# Allegro board 1155001-Timing_board_V3_20241024_1805_pcb.brd (continued)
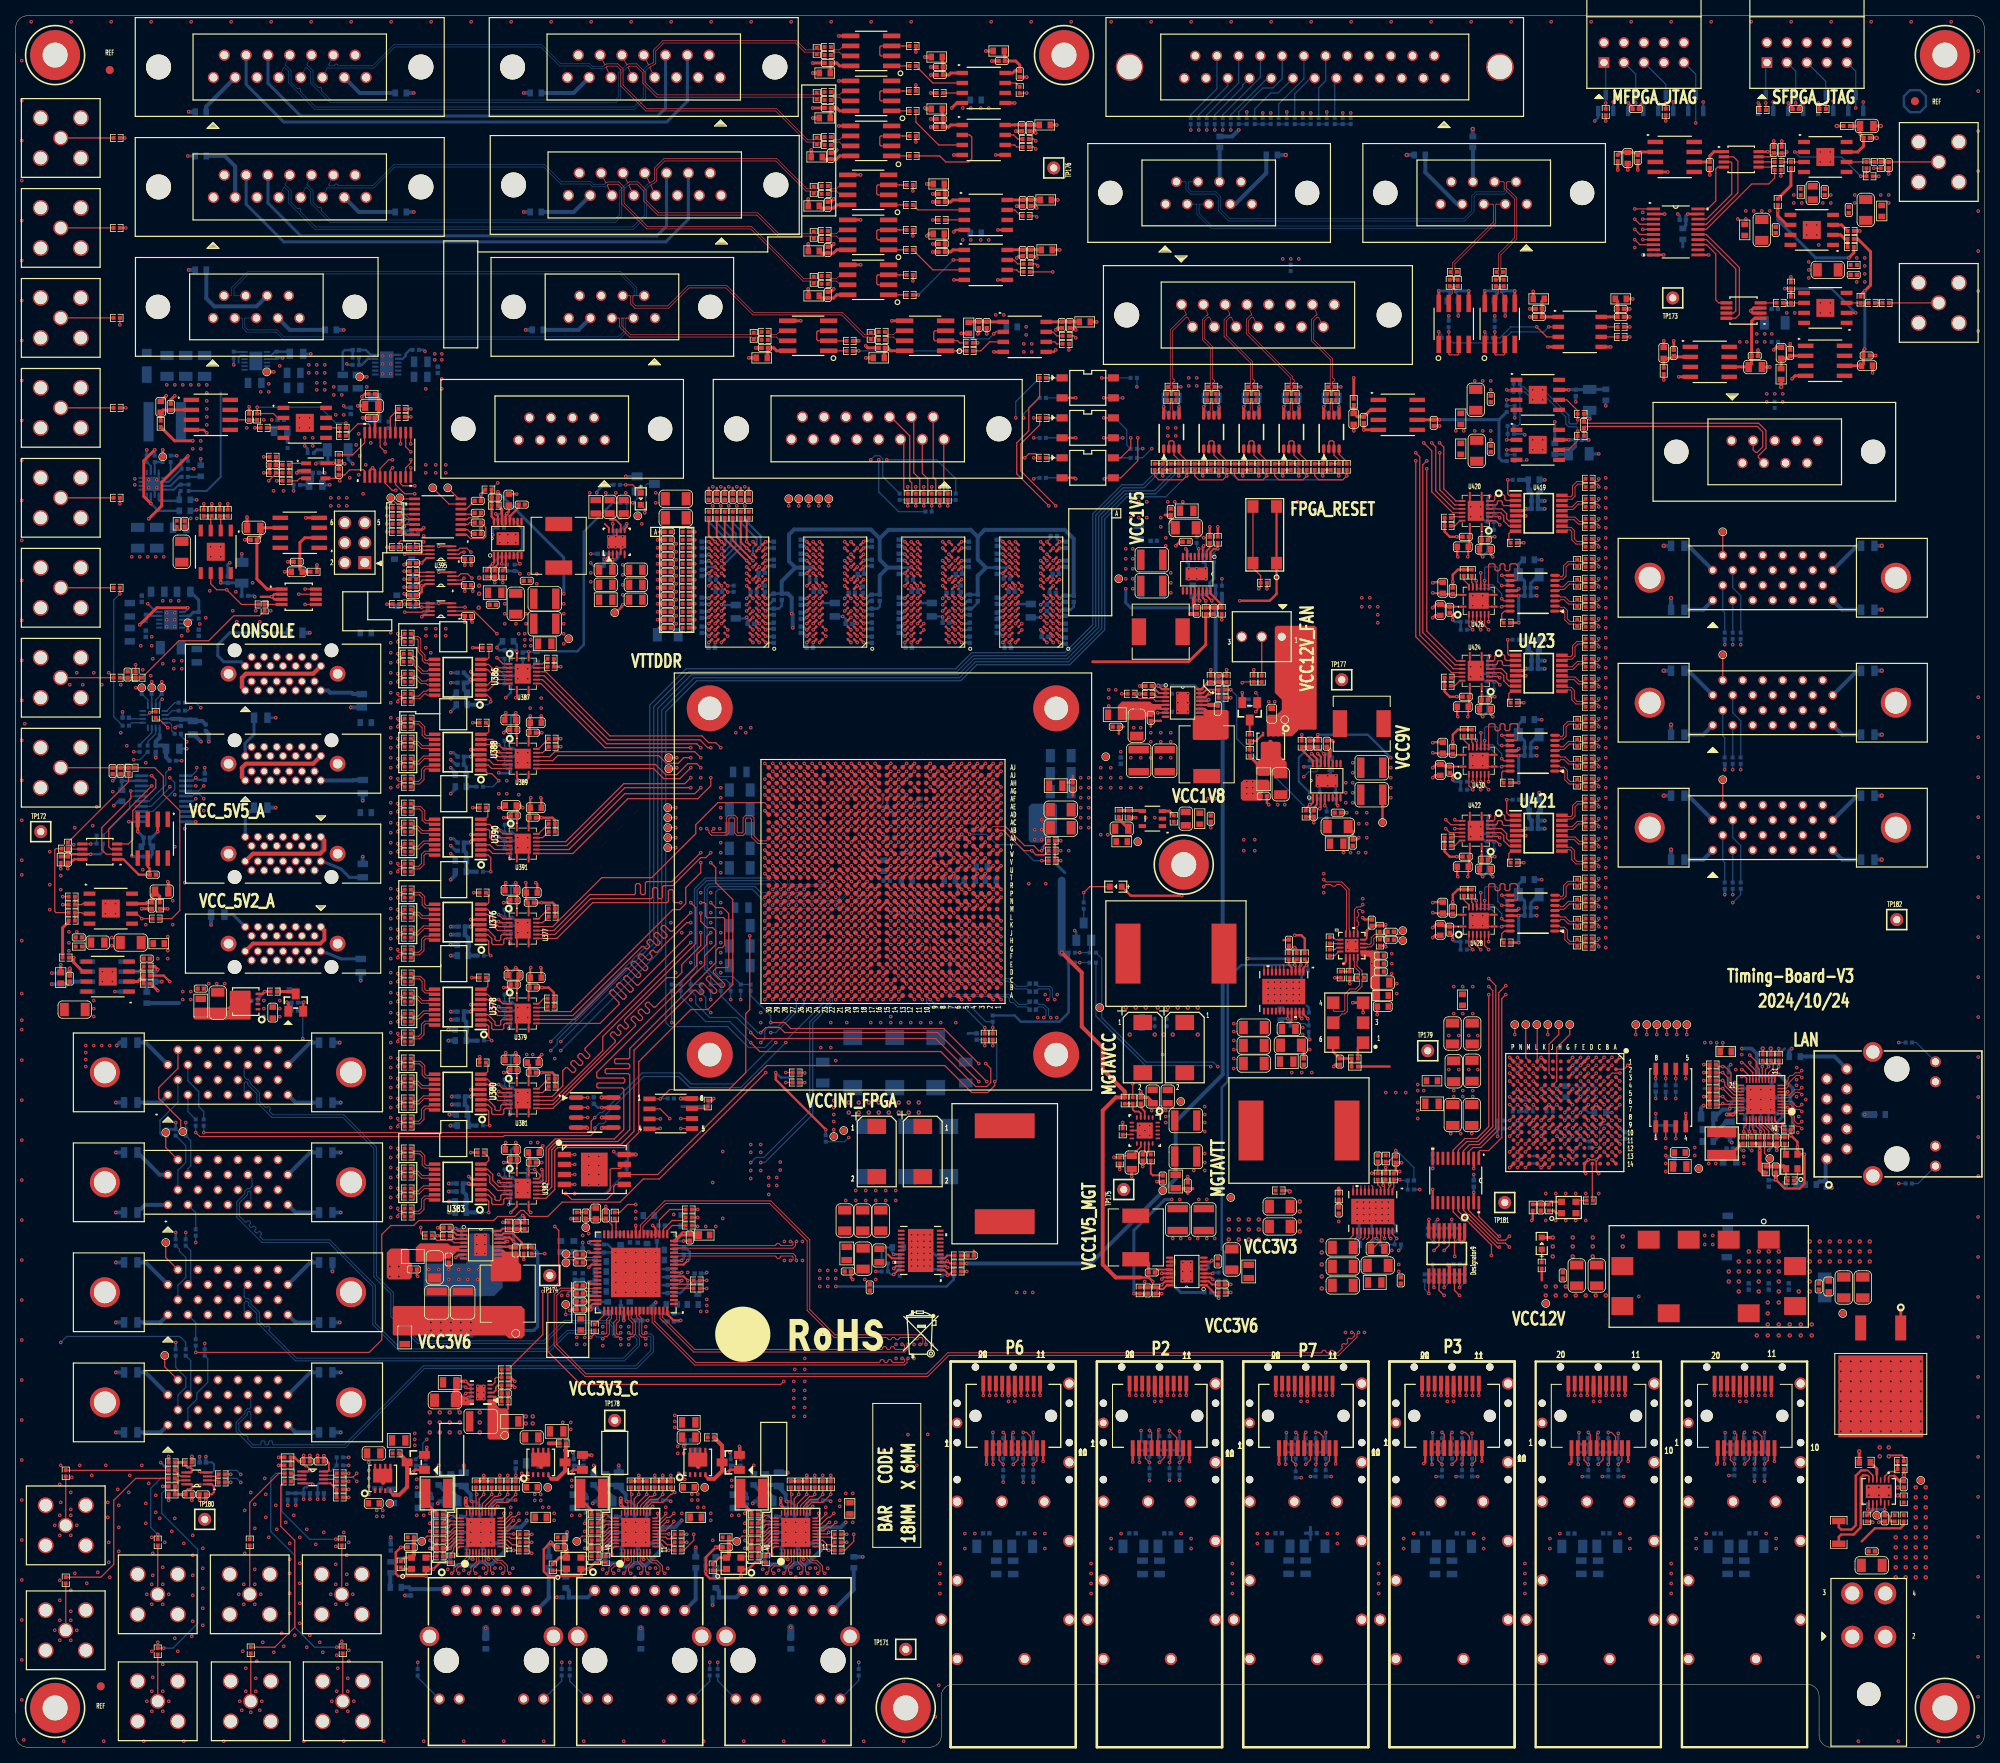
[diagram p0: board, top side]
## Routing (per net, layer and track width the routed paths; a pad name or vN(x,y) marks a point on that pad's centre or on a via; arc(x,y) is an arc through that point) (continued)
N25617445: length 2
  TOP w0.157: C2253.1 57.91,154.18 57.38,154.71 U3.2
N25617449: length 2.2
  TOP w0.157: U3.6 57.22,157.31 C2254.1
N25617566: length 30.5
  TOP w0.157: R1925.2 v1(47.12,154.43)
  ART08 w0.117: J84.3 68.22,164.97 62.23,164.97 54.23,156.97 48.64,156.97 47.62,155.96 46.99,155.96 46.61,155.57 46.61,154.94 v1(47.12,154.43)
  BOTTOM w0.157: R2169.2 47.12,154.71 v1(47.12,154.43)
N25620997: length 4.7
  TOP w0.122: U378.15 52.67,92.42 52.51,92.26 51.91,92.26 51.52,91.87 51.52,90.7 51.15,90.34 50.53,90.34 R2893.1
N25621017: length 4.7
  TOP w0.122: R2894.1 50.53,90 51.29,90 51.85,90.57 51.85,91.73 52.05,91.93 52.47,91.93 52.63,91.77 U378.16
N25621053: length 3.5
  TOP w0.122: U378.14 52.6,93.07 52.44,93.23 51.91,93.23 51.23,92.54 50.53,92.54 R2895.1
N25621069: length 3.5
  TOP w0.122: R2896.1 50.53,92.88 51.09,92.88 51.77,93.56 52.54,93.56 52.7,93.72 U378.13
N25621077: length 3.5
  TOP w0.122: U378.11 52.6,95.02 52.44,94.86 51.66,94.86 51.1,95.42 50.53,95.42 R2899.1
N25621097: length 3.5
  TOP w0.122: U378.12 52.62,94.37 52.46,94.53 51.52,94.53 50.97,95.08 50.53,95.08 R2900.1
N25621136: length 4.6
  TOP w0.122: R2909.1 50.53,97.62 51.27,97.62 51.61,97.28 51.61,96.22 52,95.83 52.51,95.83 52.67,95.67 U378.10
N25621152: length 4.6
  TOP w0.122: R2910.1 50.53,97.96 51.41,97.96 51.94,97.42 51.94,96.35 52.14,96.16 52.47,96.16 52.63,96.32 U378.9
N25621214: length 4
  TOP w0.157: v1(60.45,89.79) 60.07,90.17 60.07,91.61 59.91,91.77 U378.1
  BOTTOM w0.157: R2889.2 v1(60.45,89.79)
N25621232: length 2.2
  TOP w0.157: U378.8 59.61,96.32 59.94,96.65 59.94,97.56 R2891.2
N25621328: length 3.5
  TOP w0.157: U379.2 61.87,94.47 v1(61.34,95)
  BOTTOM w0.157: R2897.1 R2904.1 61.72,94.61 v1(61.34,95)
N25621330: length 3.3
  TOP w0.157: U379.3 61.48,93.97 v1(61.34,94.11)
  BOTTOM w0.157: R2898.1 R2902.1 61.85,93.6 v1(61.34,94.11)
N25621449: length 1.7
  TOP w0.157: U379.15 66.38,94.47 67.04,95.12 R2903.1
N25621475: length 1.5
  TOP w0.157: R2901.1 67.41,93.97 U379.14
N25626459: length 4.6
  TOP w0.122: U419.10 196.89,155.16 197.05,155 197.55,155 197.94,154.61 197.94,153.54 198.29,153.2 199.03,153.2 R3197.1
N25626475: length 4.6
  TOP w0.122: R3198.1 199.03,152.87 198.15,152.87 197.61,153.41 197.61,154.47 197.42,154.67 197.09,154.67 196.93,154.51 U419.9
N25626609: length 3.5
  TOP w0.157: v1(189.48,161.04) 189.48,159.23 189.66,159.06 U419.1
  BOTTOM w0.157: R3201.2 v1(189.48,161.04)
N25626611: length 4.7
  TOP w0.122: R3202.1 199.03,160.49 198.4,160.49 198.03,160.12 198.03,158.96 197.64,158.57 197.05,158.57 196.89,158.41 U419.15
N25626695: length 2.2
  TOP w0.157: R3203.2 189.61,153.27 189.61,154.18 189.94,154.51 U419.8
N25626697: length 4.7
  TOP w0.122: U419.16 196.92,159.06 197.08,158.9 197.51,158.9 197.7,159.1 197.7,160.26 198.26,160.82 199.03,160.82 R3204.1
N25626701: length 3.5
  TOP w0.157: v1(188.47,155.32) 187.94,155.85 U420.2
  BOTTOM w0.157: v1(188.47,155.32) 188.09,155.7 R3210.1 R3199.1
N25626703: length 3.3
  TOP w0.157: v1(188.47,156.21) 188.33,156.35 U420.3
  BOTTOM w0.157: R3200.1 R3212.1 187.96,156.72 v1(188.47,156.21)
N25626731: length 3.5
  TOP w0.122: U419.14 196.95,157.76 197.11,157.6 197.64,157.6 198.33,158.28 199.03,158.28 R3205.1
N25626758: length 3.5
  TOP w0.122: R3206.1 199.03,157.95 198.46,157.95 197.78,157.27 197.02,157.27 196.86,157.11 U419.13
N25626822: length 3.5
  TOP w0.122: U419.11 196.96,155.81 197.12,155.97 197.9,155.97 198.45,155.41 199.03,155.41 R3207.1
N25626838: length 3.5
  TOP w0.122: R3208.1 199.03,155.74 198.59,155.74 198.03,156.3 197.09,156.3 196.93,156.46 U419.12
N25626901: length 1.7
  TOP w0.157: U420.15 183.43,155.85 182.77,155.19 R3209.1
N25626927: length 1.5
  TOP w0.157: R3211.1 182.4,156.35 U420.14
N25627819: length 4.6
  TOP w0.122: U421.10 196.89,114.52 197.05,114.36 197.55,114.36 197.94,113.97 197.94,112.9 198.29,112.56 199.03,112.56 R3213.1
N25627835: length 4.6
  TOP w0.122: R3214.1 199.03,112.23 198.15,112.23 197.61,112.77 197.61,113.83 197.42,114.03 197.09,114.03 196.93,113.87 U421.9
N25627981: length 3.7
  TOP w0.157: v1(189.36,120.4) 189.36,118.72 189.66,118.42 U421.1
  BOTTOM w0.157: R3217.2 v1(189.36,120.4)
N25627983: length 4.7
  TOP w0.122: R3218.1 199.03,119.85 198.4,119.85 198.03,119.48 198.03,118.32 197.64,117.93 197.05,117.93 196.89,117.77 U421.15
N25628067: length 2.2
  TOP w0.157: R3219.2 189.61,112.63 189.61,113.54 189.94,113.87 U421.8
N25628069: length 4.7
  TOP w0.122: U421.16 196.92,118.42 197.08,118.26 197.51,118.26 197.7,118.46 197.7,119.62 198.26,120.18 199.03,120.18 R3220.1
N25628073: length 3.5
  TOP w0.157: v1(188.47,114.68) 187.94,115.21 U422.2
  BOTTOM w0.157: v1(188.47,114.68) 188.09,115.06 R3226.1 R3215.1
N25628075: length 3.3
  TOP w0.157: U422.3 188.33,115.71 v1(188.47,115.57)
  BOTTOM w0.157: R3216.1 R3228.1 187.96,116.08 v1(188.47,115.57)
N25628103: length 3.5
  TOP w0.122: R3221.1 199.03,117.64 198.33,117.64 197.64,116.96 197.11,116.96 196.95,117.12 U421.14
N25628126: length 3.5
  TOP w0.122: U421.13 196.86,116.47 197.02,116.63 197.78,116.63 198.46,117.31 199.03,117.31 R3222.1
N25628171: length 3.5
  TOP w0.122: R3223.1 199.03,114.77 198.45,114.77 197.9,115.33 197.12,115.33 196.96,115.17 U421.11
N25628210: length 3.5
  TOP w0.122: R3224.1 199.03,115.1 198.59,115.1 198.03,115.66 197.09,115.66 196.93,115.82 U421.12
N25628273: length 1.7
  TOP w0.157: R3225.1 182.77,114.55 183.43,115.21 U422.15
N25628287: length 1.5
  TOP w0.157: U422.14 182.4,115.71 R3227.1
N25630415: length 4.6
  TOP w0.122: R3229.1 199.03,132.88 198.29,132.88 197.94,133.22 197.94,134.29 197.55,134.68 197.05,134.68 196.89,134.84 U423.10
N25630423: length 4.6
  TOP w0.122: U423.9 196.93,134.19 197.09,134.35 197.42,134.35 197.61,134.15 197.61,133.09 198.15,132.55 199.03,132.55 R3230.1
N25630569: length 3.5
  TOP w0.157: U423.1 189.66,138.74 189.48,138.91 v1(189.48,140.72)
  BOTTOM w0.157: R3233.2 v1(189.48,140.72)
N25630571: length 4.7
  TOP w0.122: U423.15 196.89,138.09 197.05,138.25 197.64,138.25 198.03,138.64 198.03,139.8 198.4,140.17 199.03,140.17 R3234.1
N25630667: length 2.2
  TOP w0.157: R3235.2 189.61,132.95 189.61,133.86 189.94,134.19 U423.8
N25630669: length 4.7
  TOP w0.122: U423.16 196.92,138.74 197.08,138.58 197.51,138.58 197.7,138.78 197.7,139.94 198.26,140.5 199.03,140.5 R3236.1
N25630673: length 3.5
  TOP w0.157: v1(188.47,135) 187.94,135.53 U424.2
  BOTTOM w0.157: v1(188.47,135) 188.09,135.38 R3242.1 R3231.1
N25630675: length 3.3
  TOP w0.157: v1(188.47,135.89) 188.33,136.03 U424.3
  BOTTOM w0.157: v1(188.47,135.89) 187.96,136.4 R3244.1 R3232.1
N25630703: length 3.5
  TOP w0.122: U423.14 196.95,137.44 197.11,137.28 197.64,137.28 198.33,137.96 199.03,137.96 R3237.1
N25630714: length 3.5
  TOP w0.122: R3238.1 199.03,137.63 198.46,137.63 197.78,136.95 197.02,136.95 196.86,136.79 U423.13
N25630759: length 3.5
  TOP w0.122: U423.11 196.96,135.49 197.12,135.65 197.9,135.65 198.45,135.09 199.03,135.09 R3239.1
N25630810: length 3.5
  TOP w0.122: R3240.1 199.03,135.42 198.59,135.42 198.03,135.98 197.09,135.98 196.93,136.14 U423.12
N25630873: length 1.7
  TOP w0.157: U424.15 183.43,135.53 182.77,134.87 R3241.1
N25630887: length 1.5
  TOP w0.157: R3243.1 182.4,136.03 U424.14
N25691932: length 2.4
  TOP w0.157: U425.16 189.05,144.35 188.72,144.02 188.72,143.11 R3245.2
N25692049: length 2.5
  TOP w0.157: U425.9 v1(188.72,148.9)
  BOTTOM w0.157: v1(188.72,148.9) 189.48,148.14 R3246.1
N25692204: length 5.7
  TOP w0.122: U425.1 196.04,144.35 196.2,144.51 196.53,144.51 196.72,144.31 196.72,143.25 197.26,142.71 198.06,142.71 R3247.1 198.53,142.71 199.03,142.71 R3303.2
N25692228: length 5.7
  TOP w0.122: U425.2 196,145 196.16,144.84 196.67,144.84 197.05,144.45 197.05,143.38 197.4,143.04 198.06,143.04 R3247.2 198.53,143.04 199.03,143.04 R3304.2
N25692336: length 4.5
  TOP w0.122: U425.3 196.07,145.65 196.23,145.81 196.63,145.81 197.18,145.25 198.06,145.25 R3248.1 198.53,145.25 199.03,145.25 R3305.2
N25692356: length 4.5
  TOP w0.122: R3306.2 199.03,145.58 198.53,145.58 R3248.2 198.06,145.58 197.32,145.58 196.76,146.14 196.2,146.14 196.04,146.3 U425.4
N25692417: length 4.6
  TOP w0.122: R3307.2 199.03,147.79 198.53,147.79 R3249.1 198.06,147.79 197.32,147.79 196.64,147.11 196.13,147.11 195.97,146.95 U425.5
N25692437: length 4.6
  TOP w0.122: R3308.2 199.03,148.12 198.53,148.12 R3249.2 198.06,148.12 197.18,148.12 196.5,147.44 196.22,147.44 196.06,147.6 U425.6
N25692498: length 5.8
  TOP w0.122: U425.7 196,148.25 196.16,148.41 196.5,148.41 196.89,148.8 196.89,149.96 197.26,150.33 198.06,150.33 R3250.1 198.53,150.33 199.03,150.33 R3309.2
N25692518: length 5.8
  TOP w0.122: U425.8 196.03,148.9 196.19,148.74 196.36,148.74 196.56,148.94 196.56,150.1 197.12,150.66 198.06,150.66 R3250.2 198.53,150.66 199.03,150.66 R3310.2
N25693288: length 1.7
  TOP w0.157: R3251.1 183.9,148.32 184.55,147.66 U426.15
N25693314: length 1.5
  TOP w0.157: R3252.1 184.91,147.98 185.05,147.84 U426.14
N25693969: length 2.9
  TOP w0.157: v1(185.04,141.99) 184.55,142.48 U426.2
  BOTTOM w0.157: v1(185.04,141.99) R3253.2
N25693972: length 1.7
  TOP w0.157: U426.3 v1(185.05,143)
  BOTTOM w0.157: v1(185.05,143) R3254.2
N25695450: length 2.9
  TOP w0.157: v1(185.04,101.35) 184.55,101.84 U428.2
  BOTTOM w0.157: v1(185.04,101.35) R3255.2
N25695452: length 1.7
  TOP w0.157: U428.3 v1(185.05,102.36)
  BOTTOM w0.157: v1(185.05,102.36) R3256.2
N25695592: length 2.4
  TOP w0.157: R3257.2 188.72,102.47 188.72,103.38 189.05,103.71 U427.16
N25695600: length 2.4
  TOP w0.157: U427.9 v1(188.72,108.26)
  BOTTOM w0.157: R3258.1 189.43,107.55 v1(188.72,108.26)
N25695607: length 5.7
  TOP w0.122: R3311.2 199.03,102.07 198.53,102.07 R3259.1 198.06,102.07 197.26,102.07 196.72,102.61 196.72,103.67 196.53,103.87 196.2,103.87 196.04,103.71 U427.1
N25695627: length 5.7
  TOP w0.122: U427.2 196,104.36 196.16,104.2 196.67,104.2 197.05,103.81 197.05,102.74 197.4,102.4 198.06,102.4 R3259.2 198.53,102.4 199.03,102.4 R3312.2
N25695639: length 4.5
  TOP w0.122: U427.3 196.07,105.01 196.23,105.17 196.63,105.17 197.18,104.61 198.06,104.61 R3260.1 198.53,104.61 199.03,104.61 R3313.2
N25695659: length 4.5
  TOP w0.122: U427.4 196.05,105.66 196.2,105.5 196.76,105.5 197.32,104.94 198.06,104.94 R3260.2 198.53,104.94 199.03,104.94 R3314.2
N25695671: length 4.6
  TOP w0.122: U427.5 195.97,106.31 196.13,106.47 196.64,106.47 197.32,107.15 198.06,107.15 R3261.1 198.53,107.15 199.03,107.15 R3316.2
N25695691: length 4.6
  TOP w0.122: U427.6 196.07,106.96 196.23,106.8 196.5,106.8 197.18,107.48 198.06,107.48 R3261.2 198.53,107.48 199.03,107.48 R3315.2
N25695703: length 5.8
  TOP w0.122: R3317.2 199.03,109.69 198.53,109.69 R3262.1 198.06,109.69 197.26,109.69 196.89,109.32 196.89,108.16 196.5,107.77 196.16,107.77 196,107.61 U427.7
N25695723: length 5.8
  TOP w0.122: U427.8 196.04,108.26 196.19,108.1 196.37,108.1 196.56,108.3 196.56,109.46 197.12,110.02 198.06,110.02 R3262.2 198.53,110.02 199.03,110.02 R3318.2
N25695839: length 1.7
  TOP w0.157: U428.15 184.55,107.02 183.9,107.68 R3263.1
N25695865: length 1.5
  TOP w0.157: R3264.1 184.91,107.34 185.05,107.2 U428.14
N25698937: length 2.9
  TOP w0.157: U430.2 184.55,122.16 v1(185.04,121.67)
  BOTTOM w0.157: v1(185.04,121.67) R3265.2
N25698939: length 1.7
  TOP w0.157: U430.3 v1(185.05,122.68)
  BOTTOM w0.157: v1(185.05,122.68) R3266.2
N25699065: length 2.5
  TOP w0.157: R3267.2 188.72,122.79 188.72,123.87 188.88,124.03 U429.16
N25699095: length 2.7
  TOP w0.157: U429.9 v1(188.72,128.58)
  BOTTOM w0.157: v1(188.72,128.58) 189.48,127.82 R3268.1
N25699102: length 5.7
  TOP w0.122: R3319.2 199.03,122.39 198.53,122.39 R3269.1 198.06,122.39 197.26,122.39 196.72,122.93 196.72,123.99 196.53,124.19 196.2,124.19 196.04,124.03 U429.1
N25699110: length 5.7
  TOP w0.122: U429.2 196,124.68 196.16,124.52 196.67,124.52 197.05,124.13 197.05,123.06 197.4,122.72 198.06,122.72 R3269.2 198.53,122.72 199.03,122.72 R3320.2
N25699134: length 4.5
  TOP w0.122: U429.3 196.07,125.33 196.23,125.49 196.63,125.49 197.18,124.93 198.06,124.93 R3270.1 198.53,124.93 199.03,124.93 R3321.2
N25699142: length 4.5
  TOP w0.122: U429.4 196.05,125.98 196.2,125.82 196.76,125.82 197.32,125.26 198.06,125.26 R3270.2 198.53,125.26 199.03,125.26 R3322.2
N25699166: length 4.6
  TOP w0.122: U429.5 195.97,126.63 196.13,126.79 196.64,126.79 197.32,127.47 198.06,127.47 R3271.1 198.53,127.47 199.03,127.47 R3324.2
N25699174: length 4.6
  TOP w0.122: R3323.2 199.03,127.8 198.53,127.8 R3271.2 198.06,127.8 197.18,127.8 196.5,127.12 196.23,127.12 196.07,127.28 U429.6
N25699198: length 5.8
  TOP w0.122: U429.7 196,127.93 196.16,128.09 196.5,128.09 196.89,128.48 196.89,129.64 197.26,130.01 198.06,130.01 R3272.1 198.53,130.01 199.03,130.01 R3325.2
N25699206: length 5.8
  TOP w0.122: R3326.2 199.03,130.34 198.53,130.34 R3272.2 198.06,130.34 197.12,130.34 196.56,129.78 196.56,128.62 196.37,128.42 196.19,128.42 196.04,128.58 U429.8
N25699331: length 1.7
  TOP w0.157: R3273.1 183.9,128 184.55,127.34 U430.15
N25699348: length 1.5
  TOP w0.157: U430.14 185.05,127.57 184.91,127.71 R3274.1
N25718866: length 5
  BOTTOM w0.254: C2795.1 21.57,35.74 21.75,35.56 22.23,35.56 22.43,35.36 22.43,35.17 22.17,34.91 U350.8
  BOTTOM w0.305: L393.2 L392.2 C2795.1
N25719277: length 1.5
  BOTTOM w0.157: R2612.1 25.5,34.41 U350.2
N25719281: length 1.5
  BOTTOM w0.157: U350.3 25.5,33.91 R2614.1
N25720595: length 1.5
  BOTTOM w0.157: R2611.2 20.46,34.41 U350.7
N25720616: length 1.7
  BOTTOM w0.157: U350.6 20.98,33.91 R2613.2
N25721210: length 3.8
  BOTTOM w0.254: U350.5 22.22,33.41 22.36,33.27 22.36,33.02 22.11,32.77 21.82,32.77 21.57,32.51 R2610.2
  BOTTOM w0.305: R2610.2 R2609.2
N25722622: length 5
  TOP w0.254: U352.8 22.34,33.41 22.43,33.33 22.43,32.97 22.23,32.77 21.82,32.77 21.57,32.51 C2799.1
  TOP w0.356: L397.2 L396.2 C2799.1
N25722632: length 1.5
  TOP w0.157: U352.7 20.46,33.91 R2623.2
N25722634: length 1.7
  TOP w0.157: U352.6 20.98,34.41 R2625.2
N25722688: length 3.8
  TOP w0.254: U352.5 22.27,34.91 22.35,35 22.35,35.36 22.15,35.56 21.82,35.56 21.57,35.81 R2622.2
  TOP w0.356: R2621.2 R2622.2
N25722784: length 1.5
  TOP w0.157: R2624.1 25.5,33.91 U352.2
N25722803: length 1.5
  TOP w0.157: U352.3 25.5,34.41 R2626.1
N25723724: length 1.8
  TOP w0.157: U353.7 40.49,34.54 R2630.1
N25723727: length 1.8
  TOP w0.157: U353.6 40.49,34.04 R2632.1
N25724465: length 3
  TOP w0.229: R2628.1 39.97,33.54 U353.5
  TOP w0.381: R2627.1 R2628.1
N25725212: length 20.1
  TOP w0.229: C2802.1 36.56,35.92 36.79,35.69 36.98,35.69 37.23,35.43 37.23,35.22 37.05,35.04 U353.1
  TOP w0.305: C2802.1 35.92,36.32 35.41,36.83 L398.2 L399.2 ; R2627.2 v1(42.29,31.75)
  TOP w0.356: C2802.1 v1(36.56,37.08)
  ART03 w0.381: v1(36.56,37.08) 35.81,36.34 35.81,31.37 36.58,30.61 41.15,30.61 v1(42.29,31.75)
N25726079: length 1.5
  BOTTOM w0.157: U351.2 35.2,34.04 R2617.2
N25726096: length 1.5
  BOTTOM w0.157: U351.3 35.2,34.54 R2619.2
N25726148: length 1.8
  BOTTOM w0.157: U351.7 40.49,34.04 R2618.1
N25726150: length 1.8
  BOTTOM w0.157: R2620.1 40.49,34.54 U351.6
N25726189: length 3
  BOTTOM w0.157: U351.5 39.97,35.04 R2616.1 R2615.1
N25726195: length 16
  ART03 w0.381: v1(36.56,31.52) 36.56,35.41 37.47,36.32 41.78,36.32 v1(42.29,36.83)
  BOTTOM w0.254: C2798.1 36.56,32.87 36.7,33.02 36.96,33.02 37.03,33.09 37.03,33.45 36.95,33.54 U351.1
  BOTTOM w0.305: R2615.2 v1(42.29,36.83)
  BOTTOM w0.381: v1(36.56,31.52) C2798.1 36.54,32.28 L394.2 L395.2
N25729317: length 6.2
  TOP w0.157: J116.1 R3275.1
N25729320: length 5.9
  TOP w0.157: J117.1 R3276.1
N25729323: length 5.9
  TOP w0.157: R3277.1 J118.1
N25729326: length 6.2
  TOP w0.157: R3278.1 J119.1
N25729329: length 6.2
  TOP w0.157: J120.1 R3279.1
N25729332: length 6.1
  TOP w0.157: J121.1 R3280.1
N25729335: length 6.2
  TOP w0.157: R3281.1 J122.1
N25729338: length 6.1
  TOP w0.157: R3282.1 J123.1
N25752085: length 5.2
  TOP w0.381: L496.2 203.75,202.63 C3082.1 205.69,202.63 C3081.2 206.36,202.69 U433.2
N25754328: length 7.9
  TOP w0.157: R3283.1 v1(224.17,199.64) ; U434.7 222.79,202.07 C3084.2 L497.1 224.77,202.55 v1(224.92,202.69)
  BOTTOM w0.157: v1(224.92,202.69) 224.17,201.95 v1(224.17,199.64)
N25755131:
  vias: v1(229.18,202.69) v1(229.18,201.42) v1(230.45,202.69) v1(230.45,201.42)
N25755364: length 6.5
  TOP w0.381: U436.7 233.93,202.69 234.68,203.43 C3090.2 234.23,204.92 C3089.1 L500.1
N25755601: length 2.9
  TOP w0.157: R3285.1 R3284.2 U436.3
N25755995: length 12.6
  TOP w0.157: R3287.2 R3286.1 v1(234.31,199.61) ; U436.2 v1(225.93,202.69)
  BOTTOM w0.157: v1(225.93,202.69) 226.57,202.06 231.86,202.06 v1(234.31,199.61)
N25756061: length 3.5
  TOP w0.157: R3288.1 R3287.1 U436.6
N25756866: length 3.4
  TOP w0.33: U435.19 v1(212.34,194.81)
  BOTTOM w0.381: v1(212.34,194.81) 212.11,194.57 C3086.1 212.11,193.38 L498.1
N25838809: length 3.5
  BOTTOM w0.381: v1(26.92,93.73) 27.81,93.73 28.96,94.87 R3329.1
N25839313: length 2.9
  TOP w0.381: v1(34.42,94.67) 34.61,94.47 Q29.1
  BOTTOM w0.381: R3327.1 R3328.1 34.47,94.61 v1(34.42,94.67)
N25839544: length 3.2
  TOP w0.305: Q28.4 31.33,95.72 v1(31.62,96.01)
  TOP w0.381: R3330.1 v1(31.62,96.01)
  BOTTOM w0.381: v1(31.62,96.01) 30.75,95.14 R3329.2
N25839585: length 2.5
  TOP w0.381: Q29.3 35.26,96.01 R3330.2
N25840230: length 5
  TOP w0.381: U437.8 v1(166.11,170.31)
  BOTTOM w0.305: L485.1 166.28,172.4 C3095.1 166.28,170.48 v1(166.11,170.31) 166.11,170.04 C3091.2
N25840300: length 2.2
  TOP w0.089: R3291.1 166.94,170.79 166.94,169.88 166.76,169.7 U437.7
N25840302: length 2.2
  TOP w0.089: U437.6 167.41,169.7 167.23,169.88 167.23,170.77 R3292.1
N25840368: length 3
  TOP w0.157: U437.1 166.11,163.21 R3339.2 R3331.2
N25840384: length 5.6
  TOP w0.157: U437.2 166.76,165.83 166.92,165.99 167.26,165.99 167.41,165.84 U437.3 167.41,164.19 168.02,163.58 R3338.1 R3352.2
N25844783:
  vias: v1(227.46,193.42) v1(227.46,192.15) v1(228.73,193.42) v1(228.73,192.15)
N25845066: length 3.1
  TOP w0.381: U440.2 231.78,192.15 232.28,191.64 R3341.1 R3342.2
N25845093: length 17.3
  TOP w0.381: R3340.1 v1(223.77,195.2) 223.77,194.58 224.94,193.42 U440.6 ; v1(232.79,189.23) 233.45,189.88 R3342.1
  BOTTOM w0.381: v1(223.77,195.2) 223.77,194.06 228.6,189.23 v1(232.79,189.23)
N25845106: length 2.2
  TOP w0.381: R3343.1 231.88,193.42 U440.3
N25845772: length 4.6
  TOP w0.381: L507.2 C3098.1 225.05,176.48 C3099.2 225.36,176.8 U439.2
N25850428: length 13.3
  TOP w0.305: U441.2 v1(233.68,182.25) ; v1(224.66,185.33) R3344.2 R3347.2
  BOTTOM w0.305: v1(233.68,182.25) 230.59,185.33 v1(224.66,185.33)
N25850457: length 1
  TOP w0.157: R3348.2 R3345.2
N25850490: length 2.8
  TOP w0.157: R3345.1 R3346.1 U441.3
N25850494:
  vias: v1(229.18,183.51) v1(229.18,182.25) v1(230.45,183.51) v1(230.45,182.25)
N25850496:
  vias: v1(224.92,182.25) v1(225.93,182.25)
N25851186: length 6.3
  TOP w0.157: R3348.1 J125.1
N25851827: length 4.7
  TOP w0.381: U444.2 210.67,176.66 C3110.2 210.27,176.46 C3111.1 L510.2
N25853325: length 2
  TOP w0.157: R3350.2 U443.4
N25856602: length 6.7
  TOP w0.157: J31.1 R993.1
N25856657: length 2.9
  BOTTOM w0.157: R3351.2 15.75,127.38 17.28,128.91 U98.3
N25857583: length 2.3
  TOP w0.157: U437.4 168.06,164.3 169.04,163.32 R3353.2
N25857981: length 5
  TOP w0.381: U445.8 v1(155.95,170.31)
  BOTTOM w0.305: L511.1 156.12,172.4 C3116.1 156.12,170.48 v1(155.95,170.31) 155.95,170.04 C3115.2
N25858035: length 2.2
  TOP w0.089: U445.7 156.6,169.7 156.78,169.88 156.78,170.79 R3356.1
N25858037: length 2.2
  TOP w0.089: U445.6 157.25,169.7 157.07,169.88 157.07,170.77 R3357.1
N25858077: length 3
  TOP w0.157: R3355.2 R3359.2 155.95,163.21 U445.1
N25858081: length 5.6
  TOP w0.157: U445.2 156.6,165.83 156.76,165.99 157.1,165.99 157.25,165.84 U445.3 157.25,164.19 157.86,163.58 R3358.1 R3360.2
N25858233: length 2.3
  TOP w0.157: R3361.2 158.88,163.45 157.9,164.42 U445.4
N25859061: length 4.9
  TOP w0.157: R1929.1 J61.2
N25859891: length 5
  TOP w0.381: U446.8 v1(150.87,170.31)
  BOTTOM w0.305: C3117.2 150.87,170.04 v1(150.87,170.31) 151.04,170.48 C3118.1 151.04,172.4 L512.1
N25859953: length 2.2
  TOP w0.089: U446.6 152.17,169.7 151.99,169.88 151.99,170.77 R3365.1
N25859955: length 2.2
  TOP w0.089: U446.7 151.52,169.7 151.7,169.88 151.7,170.79 R3364.1
N25859983: length 3
  TOP w0.157: R3363.2 R3367.2 150.87,163.21 U446.1
N25859999: length 5.6
  TOP w0.157: R3368.2 R3366.1 152.78,163.58 152.17,164.19 U446.3 152.17,165.84 152.02,165.99 151.68,165.99 151.52,165.83 U446.2
N25860137: length 2.3
  TOP w0.157: U446.4 152.82,164.42 153.8,163.45 R3369.2
N25861476: length 5
  TOP w0.381: U447.8 v1(145.79,170.31)
  BOTTOM w0.305: L513.1 145.96,172.4 C3120.1 145.79,171.28 v1(145.79,170.31) 145.79,170.04 C3119.2
N25861538: length 2.2
  TOP w0.089: R3372.1 146.91,170.77 146.91,169.88 147.09,169.7 U447.6
N25861540: length 2.2
  TOP w0.089: R3373.1 146.62,170.79 146.62,169.88 146.44,169.7 U447.7
N25861556: length 3
  TOP w0.157: U447.1 145.79,163.21 R3375.2 R3371.2
N25861578: length 5.6
  TOP w0.157: R3376.2 R3374.1 147.7,163.58 147.09,164.19 U447.3 147.09,165.84 146.94,165.99 146.6,165.99 146.44,165.83 U447.2
N25861722: length 2.3
  TOP w0.157: R3377.2 148.72,163.45 147.74,164.42 U447.4
N25862361: length 5
  TOP w0.381: U448.8 v1(161.03,170.31)
  BOTTOM w0.305: L514.1 161.2,172.4 C3122.1 161.2,170.48 v1(161.03,170.31) 161.03,170.04 C3121.2
N25862427: length 2.2
  TOP w0.089: U448.6 162.33,169.7 162.15,169.88 162.15,170.77 R3381.1
N25862429: length 2.2
  TOP w0.089: U448.7 161.68,169.7 161.86,169.88 161.86,170.79 R3380.1
N25862445: length 3
  TOP w0.157: U448.1 161.03,163.21 R3383.2 R3379.2
N25862467: length 5.6
  TOP w0.157: U448.2 161.68,165.83 161.84,165.99 162.18,165.99 162.33,165.84 U448.3 162.33,164.19 162.94,163.58 R3382.1 R3384.2
N25862611: length 2.3
  TOP w0.157: R3385.2 163.96,163.45 162.98,164.42 U448.4
N25911817: length 8.6
  BOTTOM w0.508: J132.4 183.06,196.06 179.01,200.12 L534.2
N25911850: length 4.4
  TOP w0.381: U458.8 v1(180.72,185.04)
  BOTTOM w0.381: L538.1 182.1,184.07 C3149.2 v1(180.72,185.04)
N25911878: length 6
  TOP w0.157: v1(181.99,179.83) U458.2 181.99,177.04 182.12,176.91 183.13,176.91 183.26,177.04 U458.3
  BOTTOM w0.157: R3415.1 v1(181.99,179.83)
N25911922: length 2.7
  TOP w0.089: U458.7 181.99,184.28 182.48,184.77 182.48,185.57 182.39,185.65 R3417.1
N25911928: length 2.7
  TOP w0.089: R3418.1 182.86,185.65 182.77,185.57 182.77,184.88 183.26,184.39 U458.6
N25911993: length 2.5
  TOP w0.157: U458.1 v1(180.72,179.83)
  BOTTOM w0.157: v1(180.72,179.83) 181.08,179.47 R3416.2
N25912039: length 4.5
  TOP w0.381: U457.1 C3147.2 C3148.1 193.82,183.72 L537.1
N25912077: length 8.5
  BOTTOM w0.508: L533.2 158.81,199.99 154.89,196.06 J131.4
N25912107: length 2.1
  TOP w0.157: 201.35,180.47 R3413.2
N25912123: length 4.5
  TOP w0.381: L536.2 203.43,183.72 C3145.2 C3146.1 U457.8
N25912231: length 4.5
  TOP w0.381: U459.8 v1(186.56,185.04)
  BOTTOM w0.381: v1(186.56,185.04) C3150.2 188.07,184.07 L539.1
N25912256: length 6
  TOP w0.157: v1(187.83,179.83) U459.2 187.83,177.04 187.96,176.91 188.98,176.91 189.1,177.04 189.1,178.25
  BOTTOM w0.157: R3420.1 v1(187.83,179.83)
N25912303: length 2.7
  TOP w0.089: U459.7 187.83,184.28 188.32,184.77 188.32,185.57 188.23,185.65 R3422.1
N25912309: length 2.7
  TOP w0.089: R3423.1 188.7,185.65 188.61,185.57 188.61,184.88 189.1,184.39 189.1,183.45
N25912362: length 2.4
  TOP w0.157: U459.1 v1(186.56,179.83)
  BOTTOM w0.157: R3421.2 186.8,179.6 v1(186.56,179.83)
N25912408: length 2.1
  TOP w0.157: R3414.2 U457.6
N25914259:
  vias: v1(192.66,166.12) v1(192.66,164.85) v1(193.93,166.12) v1(193.93,164.85)
N25914265: length 6
  TOP w0.381: U455.7 v1(197.23,166.12)
  BOTTOM w0.381: L529.1 197.11,164.27 C3141.1 198.1,165.26 C3142.2 v1(197.23,166.12)
N25914287: length 19.1
  TOP w0.157: U455.6 197.19,164.85 198.35,166.01 R3409.1 v1(198.35,167.24)
  BOTTOM w0.157: v1(198.35,167.24) 198.35,167.61 198.2,167.77 197.23,167.77 196.85,168.15 196.85,169.04 194.25,171.64 192.22,171.64 191.64,172.21 R3411.2 191.03,168.15 190.77,167.89 R3400.2
N25914291: length 2.9
  TOP w0.157: U455.3 v1(189.36,164.85)
  BOTTOM w0.157: v1(189.36,164.85) R3407.1 R3410.2
N25915805: length 3.1
  TOP w0.157: U455.2 v1(189.36,166.12)
  BOTTOM w0.157: R3400.1 R3408.2 189.46,166.22 v1(189.36,166.12)
N25916308:
  vias: v1(192.66,172.47) v1(192.66,171.2) v1(193.93,172.47) v1(193.93,171.2)
N25916318: length 6
  TOP w0.381: U456.7 v1(197.23,172.47)
  BOTTOM w0.381: v1(197.23,172.47) 197.25,172.49 C3132.2 199.86,172.49 C3131.1 199.91,172.53 L531.1
N25916350: length 14.6
  TOP w0.157: v1(198.35,168.68) R3402.1 198.35,169.82 196.98,171.2 U456.6
  BOTTOM w0.157: v1(198.35,168.68) 198.35,168.31 198.2,168.15 197.41,168.15 197.25,168.31 197.25,169.23 194.45,172.03 192.34,172.03 191.52,172.85 191.18,172.85 191.03,173 R3412.1
N25916728: length 3.2
  TOP w0.157: U456.2 v1(189.36,172.47)
  BOTTOM w0.157: R3412.2 R3411.1 189.61,172.21 v1(189.36,172.47)
N25916968: length 3
  TOP w0.157: U456.3 v1(189.36,171.2)
  BOTTOM w0.157: v1(189.36,171.2) R3405.1 R3406.2
N25917107: length 4.7
  TOP w0.381: L527.2 C3136.1 170.35,169.06 C3137.2 172.07,169.93 U454.2
